# KiCad board KB75.kicad_pcb (continued)
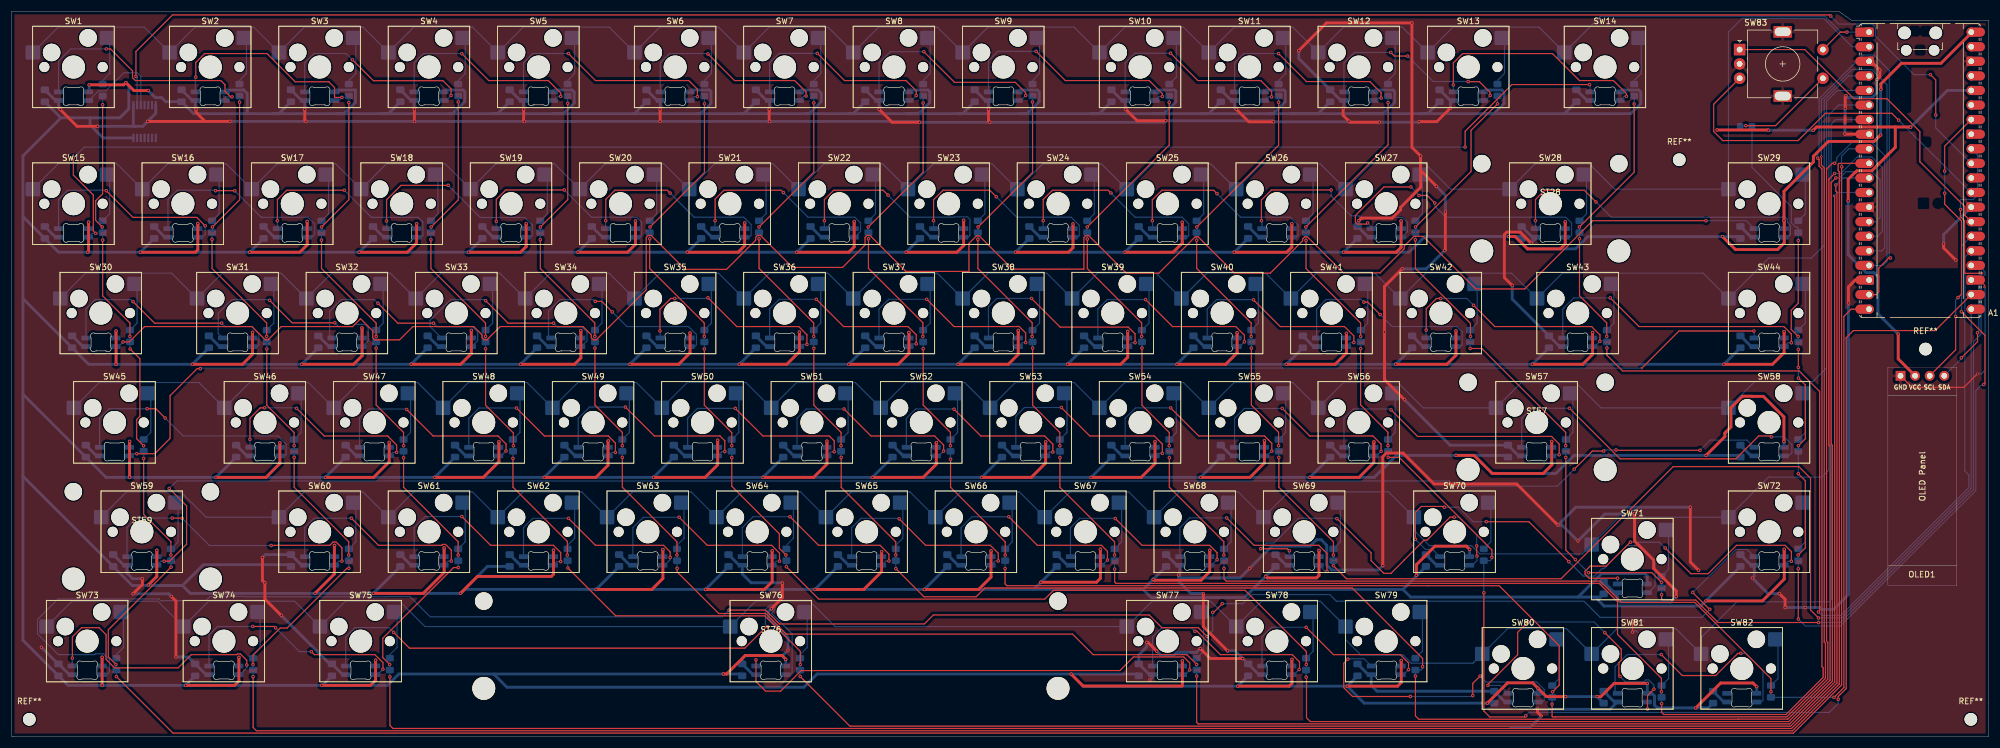
[diagram p0: board, top side]
## Routing (per net, layer and track width the routed paths; a pad name or vN(x,y) marks a point on that pad's centre or on a via; arc(x,y) is an arc through that point) (continued)
  Bottom w0.2: v1(334.17,115.3) 331.29,115.3 324.59,122 324.59,123.52 323.99,124.11 318.2,124.11 v1(316.81,125.5) ; A1.31 335.09,106.03 v1(335.09,108.26) ; U1.2 21.87,114.82 v1(21.68,115.01)
RGB_Level: length 16.4
  Bottom w0.2: U1.3 22.52,115.02 21.91,115.63 19.59,115.63 16.43,112.48 15.17,112.48 13.49,110.8 LED1.3
SCL: length 50.1
  Top w0.2: v1(336.64,98.51) 336.64,102.84 A1.34 ; v1(336.65,94.65) 336.65,92.73 339.58,89.79 339.58,77.07 v1(338.98,76.47) ; OLED1.3 338.56,67.36 v1(338.56,73.17)
  Bottom w0.2: v1(338.98,76.47) 338.56,76.05 v1(338.56,73.17) ; v1(336.64,98.51) 336.65,98.5 v1(336.65,94.65)
SDA: length 48.6
  Top w0.2: v1(339.4,91.81) 339.4,90.54 340.11,89.82 340.11,80.69 v3(343.18,80.69) ; v1(339.56,65.97) 342.37,68.78 v1(342.37,70.33)
  Bottom w0.2: v3(343.18,80.69) 342.59,80.1 342.59,70.55 v1(342.37,70.33) ; OLED1.4 339.56,65.83 v1(339.56,65.97) ; v1(339.4,91.81) 339.4,93.54 341.6,93.54 342.37,94.31 342.37,101.29 A1.32
Net-(D1-A): length 8.1
  Bottom w0.2: SW1.2 17.11,121.24 17.11,115.5 15.88,114.28
Net-(D2-A): length 8.1
  Bottom w0.2: 39.69,114.28 40.92,115.5 40.92,121.24 SW2.2
Net-(D3-A): length 8.1
  Bottom w0.2: 58.74,114.28 59.97,115.5 59.97,121.24 SW3.2
Net-(D4-A): length 8.1
  Bottom w0.2: SW4.2 79.02,121.24 79.02,115.5 77.79,114.28
Net-(D5-A): length 8.1
  Bottom w0.2: SW5.2 98.07,121.24 98.07,115.5 96.84,114.28
Net-(D6-A): length 8.1
  Bottom w0.2: 120.66,114.28 121.88,115.5 121.88,121.24 SW6.2
Net-(D7-A): length 8.1
  Bottom w0.2: 139.71,114.28 140.93,115.5 140.93,121.24 SW7.2
Net-(D8-A): length 8.1
  Bottom w0.2: 158.76,114.28 159.98,115.5 159.98,121.24 SW8.2
Net-(D9-A): length 8.1
  Bottom w0.2: 177.81,114.28 179.03,115.5 179.03,121.24 SW9.2
Net-(D10-A): length 8.8
  Bottom w0.2: D10.2 202.84,114.88 202.84,121.24 SW10.2
Net-(D11-A): length 8.1
  Bottom w0.2: 220.67,114.28 221.89,115.5 221.89,121.24 SW11.2
Net-(D12-A): length 8.1
  Bottom w0.2: SW12.2 240.94,121.24 240.94,115.5 239.72,114.28
Net-(D13-A): length 8.1
  Bottom w0.2: 258.77,114.28 259.99,115.5 259.99,121.24 SW13.2
Net-(D14-A): length 8.1
  Bottom w0.2: 282.58,114.28 283.81,115.5 283.81,121.24 SW14.2
Net-(D15-A): length 8.8
  Bottom w0.2: SW15.2 17.11,97.43 17.11,91.06 D15.2
Net-(D16-A): length 8.8
  Bottom w0.2: SW16.2 36.16,97.43 36.16,91.06 D16.2
Net-(D17-A): length 8.8
  Bottom w0.2: D17.2 55.21,91.06 55.21,97.43 SW17.2
Net-(D18-A): length 8.8
  Bottom w0.2: D18.2 74.26,91.06 74.26,97.43 SW18.2
Net-(D19-A): length 8.8
  Bottom w0.2: SW19.2 93.31,97.43 93.31,91.06 D19.2
Net-(D20-A): length 8.8
  Bottom w0.2: SW20.2 112.36,97.43 112.36,91.06 D20.2
Net-(D21-A): length 8.8
  Bottom w0.2: SW21.2 131.41,97.43 131.41,91.06 D21.2
Net-(D22-A): length 8.8
  Bottom w0.2: D22.2 150.46,91.06 150.46,97.43 SW22.2
Net-(D23-A): length 8.8
  Bottom w0.2: 169.04,97.89 169.51,97.43 169.51,91.06 D23.2
Net-(D24-A): length 8.8
  Bottom w0.2: D24.2 188.56,91.06 188.56,97.43 SW24.2
Net-(D25-A): length 8.8
  Bottom w0.2: 207.14,97.89 207.61,97.43 207.61,91.06 D25.2
Net-(D26-A): length 8.8
  Bottom w0.2: D26.2 226.66,91.06 226.66,97.43 SW26.2
Net-(D27-A): length 8.8
  Bottom w0.2: D27.2 245.71,91.06 245.71,97.43 SW27.2
Net-(D28-A): length 8.8
  Bottom w0.2: D28.2 274.28,91.06 274.28,97.43 SW28.2
Net-(D29-A): length 8.8
  Bottom w0.2: D29.2 312.38,91.06 312.38,97.43 SW29.2
Net-(D30-A): length 8.8
  Bottom w0.2: SW30.2 21.87,78.38 21.87,72.01 D30.2
Net-(D31-A): length 8.8
  Bottom w0.2: SW31.2 45.68,78.38 45.68,72.01 D31.2
Net-(D32-A): length 8.8
  Bottom w0.2: D32.2 64.73,72.01 64.73,78.38 SW32.2
Net-(D33-A): length 8.8
  Bottom w0.2: D33.2 83.78,72.01 83.78,78.38 SW33.2
Net-(D34-A): length 8.8
  Bottom w0.2: D34.2 102.83,72.01 102.83,78.38 SW34.2
Net-(D35-A): length 8.8
  Bottom w0.2: SW35.2 121.88,78.38 121.88,72.01 D35.2
Net-(D36-A): length 8.8
  Bottom w0.2: D36.2 140.93,72.01 140.93,78.38 SW36.2
Net-(D37-A): length 8.8
  Bottom w0.2: SW37.2 159.98,78.38 159.98,72.01 D37.2
Net-(D38-A): length 8.8
  Bottom w0.2: SW38.2 179.03,78.38 179.03,72.01 D38.2
Net-(D39-A): length 8.8
  Bottom w0.2: SW39.2 198.08,78.38 198.08,72.01 D39.2
Net-(D40-A): length 8.8
  Bottom w0.2: SW40.2 217.13,78.38 217.13,72.01 D40.2
Net-(D41-A): length 8.8
  Bottom w0.2: SW41.2 236.18,78.38 236.18,72.01 D41.2
Net-(D42-A): length 8.8
  Bottom w0.2: D42.2 255.23,72.01 255.23,78.38 SW42.2
Net-(D43-A): length 8.8
  Bottom w0.2: D43.2 279.04,72.01 279.04,78.38 SW43.2
Net-(D44-A): length 8.8
  Bottom w0.2: SW44.2 312.38,78.38 312.38,72.01 D44.2
Net-(D45-A): length 8.8
  Bottom w0.2: SW45.2 24.25,59.33 24.25,52.96 D45.2
Net-(D46-A): length 8.8
  Bottom w0.2: D46.2 50.44,52.96 50.44,59.33 SW46.2
Net-(D47-A): length 8.8
  Bottom w0.2: D47.2 69.49,52.96 69.49,59.33 SW47.2
Net-(D48-A): length 8.8
  Bottom w0.2: D48.2 88.54,52.96 88.54,59.33 SW48.2
Net-(D49-A): length 8.8
  Bottom w0.2: D49.2 107.59,52.96 107.59,59.33 SW49.2
Net-(D50-A): length 8.8
  Bottom w0.2: SW50.2 126.64,59.33 126.64,52.96 D50.2
Net-(D51-A): length 8.8
  Bottom w0.2: D51.2 145.69,52.96 145.69,59.33 SW51.2
Net-(D52-A): length 8.8
  Bottom w0.2: SW52.2 164.74,59.33 164.74,52.96 D52.2
Net-(D53-A): length 8.8
  Bottom w0.2: D53.2 183.79,52.96 183.79,59.33 SW53.2
Net-(D54-A): length 8.8
  Bottom w0.2: D54.2 202.84,52.96 202.84,59.33 SW54.2
Net-(D55-A): length 8.8
  Bottom w0.2: D55.2 221.89,52.96 221.89,59.33 SW55.2
Net-(D56-A): length 8.8
  Bottom w0.2: D56.2 240.94,52.96 240.94,59.33 SW56.2
Net-(D57-A): length 8.8
  Bottom w0.2: SW57.2 271.9,59.33 271.9,52.96 D57.2
Net-(D58-A): length 8.8
  Bottom w0.2: SW58.2 312.38,59.33 312.38,52.96 D58.2
Net-(D59-A): length 8.8
  Bottom w0.2: D59.2 29.01,33.91 29.01,40.28 SW59.2
Net-(D60-A): length 8.8
  Bottom w0.2: SW60.2 59.97,40.28 59.97,33.91 D60.2
Net-(D61-A): length 8.8
  Bottom w0.2: D61.2 79.02,33.91 79.02,40.28 SW61.2
Net-(D62-A): length 8.1
  Bottom w0.2: 96.84,33.31 98.07,34.54 98.07,40.28 SW62.2
Net-(D63-A): length 8.1
  Bottom w0.2: SW63.2 117.12,40.28 117.12,34.54 115.89,33.31
Net-(D64-A): length 8.1
  Bottom w0.2: SW64.2 136.17,40.28 136.17,34.54 134.94,33.31
Net-(D65-A): length 8.1
  Bottom w0.2: SW65.2 155.22,40.28 155.22,34.54 153.99,33.31
Net-(D66-A): length 8.8
  Bottom w0.2: D66.2 174.27,33.91 174.27,40.28 SW66.2
Net-(D67-A): length 8.8
  Bottom w0.2: SW67.2 193.32,40.28 193.32,33.91 D67.2
Net-(D68-A): length 8.8
  Bottom w0.2: SW68.2 212.37,40.28 212.37,33.91 D68.2
Net-(D69-A): length 8.8
  Bottom w0.2: SW69.2 231.42,40.28 231.42,33.91 D69.2
Net-(D70-A): length 8.8
  Bottom w0.2: SW70.2 257.61,40.28 257.61,33.91 D70.2
Net-(D71-A): length 8.8
  Bottom w0.2: D71.2 288.57,29.15 288.57,35.52 SW71.2
Net-(D72-A): length 8.8
  Bottom w0.2: SW72.2 312.38,40.28 312.38,33.91 D72.2
Net-(D73-A): length 8.1
  Bottom w0.2: 18.26,14.26 19.49,15.49 19.49,21.23 SW73.2
Net-(D74-A): length 8.1
  Bottom w0.2: 42.07,14.26 43.3,15.49 43.3,21.23 SW74.2
Net-(D75-A): length 8.2
  Bottom w0.2: 65.89,14.26 67.14,15.52 67.14,21.2 SW75.2
Net-(D76-A): length 8.1
  Bottom w0.2: SW76.2 138.55,21.23 138.55,15.49 137.32,14.26
Net-(D77-A): length 8.8
  Bottom w0.2: D77.2 207.61,14.86 207.61,21.23 207.14,21.69
Net-(D78-A): length 8.8
  Bottom w0.2: SW78.2 226.66,21.23 226.66,14.86 D78.2
Net-(D79-A): length 8.8
  Bottom w0.2: SW79.2 245.71,21.23 245.71,14.86 D79.2
Net-(D80-A): length 8.8
  Bottom w0.2: SW80.2 269.52,16.47 269.52,10.1 D80.2
Net-(D81-A): length 8.8
  Bottom w0.2: SW81.2 288.57,16.47 288.57,10.1 D81.2
Net-(D82-A): length 8.8
  Bottom w0.2: D82.2 307.62,10.1 307.62,16.47 SW82.2
Net-(LED1-DOUT): length 43.1
  Top w0.2: v1(38.41,111.43) 38.16,111.43 37.18,112.41 37.18,113.55 36.46,114.27 21.57,114.27 21.07,114.76 21.07,115.95 17.25,119.78 v1(16.51,119.78)
  Bottom w0.2: LED1.1 8.2,117.66 10.32,119.78 v1(16.51,119.78) ; LED2.3 37.21,111.35 37.29,111.43 v1(38.41,111.43)
Net-(LED2-DOUT): length 36.9
  Top w0.2: v1(57.54,111.33) 56.33,111.33 56.26,111.41 56.26,113.06 55.26,114.06 49.41,114.06 44.5,118.98 33.64,118.98 32.09,117.42 v1(32.09,114.87)
  Bottom w0.2: LED2.1 32.01,114.8 v1(32.09,114.87) ; LED3.3 57.01,110.8 v1(57.54,111.33)
Net-(LED3-DOUT): length 36.5
  Top w0.2: v1(59.37,117.91) 63.02,114.25 75.13,114.25 76.55,112.83 v1(76.55,111.68)
  Bottom w0.2: LED4.3 75.66,110.8 v1(76.55,111.68) ; v1(59.37,117.91) 58.3,118.98 52.69,118.98 51.06,117.35 LED3.1
Net-(LED4-DOUT): length 36.3
  Top w0.2: v1(95.64,111.51) 95.64,112.11 93.47,114.27 83.11,114.27 v1(78.42,118.96)
  Bottom w0.2: v1(78.42,118.96) 78.41,118.98 71.74,118.98 70.11,117.35 LED4.1 ; v1(95.64,111.51) 95.08,111.51 LED5.3
Net-(LED5-DOUT): length 41.5
  Top w0.2: v1(96.99,118.98) 101.69,114.27 117.93,114.27 119.46,112.75 v1(119.46,111.46)
  Bottom w0.2: LED5.1 89.16,117.13 89.17,117.13 89.17,117.35 90.8,118.98 v1(96.99,118.98) ; LED6.3 118.84,111.46 v1(119.46,111.46)
Net-(LED6-DOUT): length 36.1
  Top w0.2: v1(138.38,111.58) 138.38,112.27 136.37,114.27 125.91,114.27 v1(121.28,118.9)
  Bottom w0.2: v1(121.28,118.9) 121.21,118.98 114.6,118.98 112.98,117.35 LED6.1 ; v1(138.38,111.58) 138.01,111.58 LED7.3
Net-(LED7-DOUT): length 36.4
  Top w0.2: v1(157.56,111.67) 157.56,112.48 155.76,114.27 145.06,114.27 v1(140.33,119)
  Bottom w0.2: LED8.3 156.68,110.8 v1(157.56,111.67) ; LED7.1 132.03,117.35 133.68,119 v1(140.33,119)
Net-(LED8-DOUT): length 36.5
  Top w0.2: v1(158.88,119.3) 164.23,113.95 174.81,113.95 176.61,112.15 v1(176.61,111.68)
  Bottom w0.2: v1(176.61,111.68) 175.72,110.8 LED9.3 ; LED8.1 151.08,117.35 153.03,119.3 v1(158.88,119.3)
Net-(LED10-DIN): length 41.5
  Top w0.2: v1(178.43,119.35) 183.51,114.27 198.12,114.27 200.42,111.98 v1(200.42,111.49)
  Bottom w0.2: v1(178.43,119.35) 171.76,119.35 170.13,117.72 LED9.1 ; LED10.3 199.84,111.49 v1(200.42,111.49)
Net-(LED10-DOUT): length 36.5
  Top w0.2: v1(201.84,119.03) 206.59,114.27 217.53,114.27 219.44,112.37 v1(219.44,111.43)
  Bottom w0.2: v1(201.84,119.03) 195.62,119.03 193.94,117.35 LED10.1 ; LED11.3 218.83,111.43 v1(219.44,111.43)
Net-(LED11-DOUT): length 36.5
  Top w0.2: v1(238.52,111.23) 238.52,112.13 236.56,114.09 225.52,114.09 v1(220.64,118.97)
  Bottom w0.2: LED12.3 237.67,111.23 v1(238.52,111.23) ; LED11.1 212.99,117.35 214.61,118.98 220.63,118.98 v1(220.64,118.97)
Net-(LED12-DOUT): length 36.3
  Top w0.2: v1(240.19,119.17) 240.82,118.54 v1(243.13,118.54) ; v1(257.5,111.66) 257.5,112.2 255.62,114.08 v1(253.68,114.08)
  Bottom w0.2: v1(253.68,114.08) 253.68,114.11 247.56,114.11 v1(243.13,118.54) ; v1(257.5,111.66) 256.64,110.8 LED13.3 ; v1(240.19,119.17) 233.86,119.17 232.04,117.35 LED12.1
Net-(LED13-DOUT): length 40.7
  Top w0.2: v1(281.23,111.52) 281.23,112.01 278.96,114.27 273.04,114.27 268.34,118.98 252.71,118.98 251.09,117.35 v1(251.09,113.51)
  Bottom w0.2: v1(281.23,111.52) 280.83,111.52 LED14.3 ; v1(251.09,113.51) 251.09,113.51 LED13.1
Net-(LED14-DOUT): length 288.6
  Top w0.2: v1(253.15,102.68) 253.15,105.43 261.29,113.57 v1(274.8,113.57) ; v1(10.78,100.8) 10.78,97.8 14.25,94.32 14.25,88.07 v1(14.68,87.65)
  Bottom w0.2: LED15.3 14.06,87.65 v1(14.68,87.65) ; v1(10.78,100.8) 12.66,102.68 v1(253.15,102.68) ; v1(274.8,113.57) 274.9,113.47 LED14.1
Net-(LED15-DOUT): length 36.8
  Top w0.2: v1(33.73,88.97) 32.26,90.43 21.16,90.43 v1(16.51,95.08)
  Bottom w0.2: v1(16.51,95.08) 16.43,95.16 9.83,95.16 8.2,93.54 LED15.1 ; LED16.3 33.25,86.98 33.73,87.46 v1(33.73,88.97)
Net-(LED16-DOUT): length 37
  Top w0.2: v1(35.54,95.09) 38.86,95.09 v1(38.89,95.06)
  Bottom w0.2: 27.25,88.48 27.25,93.54 28.88,95.16 35.46,95.16 v1(35.54,95.09) ; LED17.3 52.3,86.98 52.8,87.48 52.8,89.28 51.63,90.45 43.5,90.45 v1(38.89,95.06)
Net-(LED17-DOUT): length 36.9
  Top w0.2: v1(46.31,89.85) 46.31,93.54 47.93,95.16 v1(57.96,95.16)
  Bottom w0.2: LED17.1 46.3,89.85 v1(46.31,89.85) ; LED18.3 71.35,86.98 71.65,87.28 71.65,89.61 70.82,90.44 62.68,90.44 v1(57.96,95.16)
Net-(LED18-DOUT): length 37.4
  Top w0.2: v1(65.32,89.81) 65.32,93.5 67.83,96.01 v1(76.05,96.01)
  Bottom w0.2: v1(76.05,96.01) 81.65,90.41 89.4,90.41 90.7,89.11 90.7,87.28 90.4,86.98 89.6,86.98 ; LED18.1 65.35,89.78 v1(65.32,89.81)
Net-(LED19-DOUT): length 37
  Top w0.2: v1(96.27,95.21) 86.08,95.21 84.43,93.56 v1(84.43,89.75)
  Bottom w0.2: v1(96.27,95.21) 101.02,90.46 108.87,90.46 109.75,89.58 109.75,87.28 109.45,86.98 LED20.3 ; v1(84.43,89.75) 84.4,89.73 LED19.1
Net-(LED20-DOUT): length 36.7
  Top w0.2: v1(114.7,94.66) 114.19,95.16 105.08,95.16 103.49,93.57 v1(103.49,89.86)
  Bottom w0.2: 127.7,86.98 128.5,86.98 128.8,87.28 128.8,89.19 127.53,90.46 118.9,90.46 v1(114.7,94.66) ; v1(103.49,89.86) 103.45,89.83 LED20.1
Net-(LED21-DOUT): length 36.5
  Top w0.2: v1(134.43,94.75) 134.01,95.16 124.06,95.16 122.54,93.64 v1(122.54,89.86)
  Bottom w0.2: LED22.3 146.84,86.98 147.85,87.99 147.85,89.48 146.87,90.46 138.72,90.46 v1(134.43,94.75) ; v1(122.54,89.86) 122.5,89.83 LED21.1
Net-(LED22-DOUT): length 37.3
  Top w0.2: v1(152.66,94.3) 151.79,95.16 143.18,95.16 141.57,93.55 v1(141.57,89.86)
  Bottom w0.2: v1(152.66,94.3) 156.5,90.46 164.17,90.46 164.25,90.53 166.47,90.53 166.9,90.11 166.9,87.28 166.6,86.98 LED23.3 ; v1(141.57,89.86) 141.55,89.85 LED22.1
Net-(LED23-DOUT): length 36.6
  Top w0.2: v1(171.51,94.02) 170.36,95.16 162.23,95.16 160.57,93.5 v1(160.57,89.86)
  Bottom w0.2: LED23.1 160.6,89.83 v1(160.57,89.86) ; v1(171.51,94.02) 175.07,90.46 184.54,90.46 185.95,89.05 185.95,87.28 185.65,86.98 LED24.3
Net-(LED24-DOUT): length 36.8
  Top w0.2: v1(191.46,94.68) 190.97,95.16 181.28,95.16 179.67,93.55 v1(179.67,89.86)
  Bottom w0.2: v1(179.67,89.86) 179.65,89.85 LED24.1 ; v1(191.46,94.68) 195.68,90.46 203.87,90.46 205,89.33 205,87.28 204.7,86.98 LED25.3
Net-(LED25-DOUT): length 36.7
  Top w0.2: v1(198.67,89.86) 198.67,93.5 200.33,95.16 209.34,95.16 v1(209.93,94.58)
  Bottom w0.2: LED25.1 198.7,89.83 v1(198.67,89.86) ; 222.95,86.98 223.75,86.98 224.05,87.28 224.05,89.1 222.69,90.46 214.05,90.46 v1(209.93,94.58)
Net-(LED26-DOUT): length 37.2
  Top w0.2: v1(229.81,95.21) 219.43,95.21 217.67,93.45 v1(217.67,89.86)
  Bottom w0.2: 217.75,88.48 217.75,89.78 v1(217.67,89.86) ; v1(229.81,95.21) 229.81,94.17 233.28,90.7 234.64,90.7 234.91,90.42 242.23,90.42 243.1,89.56 243.1,87.98 242.11,86.98 LED27.3
Net-(LED27-DOUT): length 50.8
  Top w0.2: v1(245.11,94.25) 246.54,94.25 v1(247.84,92.95) ; v1(236.15,89.47) 235.93,89.26 234.38,89.26 234.02,89.61 234.02,90.76 239,95.73 v1(243.7,95.73)
  Bottom w0.2: 236.8,88.48 236.8,88.82 v1(236.15,89.47) ; v1(243.7,95.73) 245.11,94.32 v1(245.11,94.25) ; v1(247.84,92.95) 247.84,92.4 249.78,90.46 270.65,90.46 271.68,89.43 271.68,87.28 271.38,86.98 LED28.3
Net-(LED28-DOUT): length 55.9
  Top w0.2: v1(275.93,93.12) 273.88,95.16 267,95.16 265.39,93.55 v1(265.39,89.86)
  Bottom w0.2: v1(265.39,89.86) 265.38,89.85 LED28.1 ; v1(275.93,93.12) 278.59,90.46 308.41,90.46 308.42,90.46 308.91,90.46 309.27,90.11 309.27,89.54 309.78,89.03 309.78,87.44 309.32,86.98 LED29.3
Net-(LED29-DOUT): length 361
  Top w0.2: v1(295.08,89.86) 275.35,89.86 271.13,85.63 271.13,85.58 263.51,77.97 254.99,77.97 245.83,87.13 244.23,87.13 242.54,85.44 242.54,84.97 238.33,80.77 231.95,80.77 225.68,87.03 225.19,87.03 224.83,86.68 224.83,86.35 219.2,80.72 212.97,80.72 206.63,87.05 206.14,87.05 199.8,80.72 194.14,80.72 187.59,87.26 187.1,87.26 186.74,86.91 186.74,81.41 174.32,81.41 168.53,87.2 168.04,87.2 166.74,85.9 166.74,81.02 155.76,81.02 149.48,87.3 148.99,87.3 148.63,86.95 148.63,85.63 144.72,81.71 136.02,81.71 130.43,87.3 129.94,87.3 129.58,86.95 129.58,86.45 124.51,81.38 117.31,81.38 111.38,87.3 110.89,87.3 110.53,86.95 110.53,77.82 101.82,69.11 101.33,69.11 100.97,69.46 100.97,69.96 99.52,71.41 85.1,71.41 82.8,69.11 82.3,69.11 81.95,69.46 81.95,69.96 80.5,71.41 69.89,71.41 67.59,69.11 63.25,69.11 62.9,69.46 62.9,70.66 60.78,72.79 59.4,71.41 46.98,71.41 44.68,69.11 44.18,69.11 41.88,71.41 23.17,71.41 20.5,68.74 v1(19.44,68.74)
  Bottom w0.2: LED29.1 302.1,89.86 v1(295.08,89.86) ; v1(19.44,68.74) 18.64,67.93 LED30.3
Net-(LED30-DOUT): length 41.5
  Top w0.2: v1(36.6,72.01) 24.92,72.01 v1(21.17,75.76)
  Bottom w0.2: LED30.1 12.96,74.49 14.59,76.11 20.81,76.11 v1(21.17,75.76) ; v1(36.6,72.01) 37.2,71.4 41.85,71.4 43.08,70.17 43.08,68.23 42.78,67.93 LED31.3
Net-(LED31-DOUT): length 37.9
  Top w0.2: v1(56.3,72.07) 48.87,72.07 v1(44.95,75.99)
  Bottom w0.2: LED31.1 35.99,70.21 35.99,73.71 38.4,76.11 44.82,76.11 v1(44.95,75.99) ; LED32.3 61.12,67.93 62.13,68.94 62.13,71.25 61.59,71.78 59.77,71.78 59.4,71.41 56.96,71.41 v1(56.3,72.07)
Net-(LED32-DOUT): length 36.8
  Top w0.2: v1(73.5,72.01) 67.28,72.01 v1(63.82,75.47)
  Bottom w0.2: LED33.3 80.17,67.93 81.18,68.94 81.18,70.49 80.29,71.38 74.12,71.38 v1(73.5,72.01) ; LED32.1 55.42,69.84 55.42,74.08 57.45,76.11 63.17,76.11 v1(63.82,75.47)
Net-(LED33-DOUT): length 38.1
  Top w0.2: v1(94.4,72.01) 86.48,72.01 v1(82.57,75.92)
  Bottom w0.2: LED33.1 72.89,71.41 72.89,72.51 76.5,76.11 82.37,76.11 v1(82.57,75.92) ; LED34.3 99.22,67.93 100.23,68.94 100.23,70.47 99.38,71.31 95.09,71.31 v1(94.4,72.01)
Net-(LED34-DOUT): length 37
  Top w0.2: v1(104.62,73.97) 102.79,75.8 v1(101.67,75.8)
  Bottom w0.2: LED35.3 118.98,67.93 119.28,68.23 119.28,70.04 117.91,71.41 107.18,71.41 v1(104.62,73.97) ; LED34.1 93.52,69.84 93.52,74.08 95.55,76.11 101.35,76.11 v1(101.67,75.8)
Net-(LED35-DOUT): length 37.2
  Top w0.2: v1(138.51,68.3) 138.51,69.99 137.1,71.41 126.3,71.41 v1(121.28,76.43) ; v1(115.5,76.31) 114.8,76.31 112.93,74.44 v1(112.93,70.65)
  Bottom w0.2: v1(121.28,76.43) 121.16,76.31 v1(115.5,76.31) ; v1(138.51,68.3) 137.59,68.3 LED36.3 ; LED35.1 112.98,70.6 v1(112.93,70.65)
Net-(LED36-DOUT): length 36.9
  Top w0.2: v1(140.16,76.16) 144.91,71.41 156.12,71.41 157.56,69.97 v1(157.56,68.4)
  Bottom w0.2: v1(157.56,68.4) 156.75,68.4 LED37.3 ; LED36.1 132.03,74.49 133.7,76.16 v1(140.16,76.16)
Net-(LED37-DOUT): length 37
  Top w0.2: v1(159.38,76.16) 164.13,71.41 175.03,71.41 175.06,71.43 175.48,71.43 176.61,70.3 v1(176.61,68.63)
  Bottom w0.2: LED38.3 176.03,68.63 v1(176.61,68.63) ; LED37.1 151.08,74.49 152.75,76.16 v1(159.38,76.16)
Net-(LED38-DOUT): length 37.2
  Top w0.2: v1(195.66,68.61) 195.66,70.14 194.48,71.32 182.62,71.32 v1(177.63,76.31)
  Bottom w0.2: v1(177.63,76.31) 171.58,76.31 170.13,74.86 LED38.1 ; v1(195.66,68.61) 195.06,68.61 LED39.3
Net-(LED39-DOUT): length 36.6
  Top w0.2: v1(214.71,68.77) 214.71,69.91 213.21,71.41 202.19,71.41 v1(197.48,76.12)
  Bottom w0.2: LED39.1 189.18,74.49 190.81,76.12 v1(197.48,76.12) ; v1(214.71,68.77) 213.87,67.93 LED40.3
Net-(LED40-DOUT): length 36.6
  Top w0.2: v1(233.76,68.63) 233.76,69.79 232.14,71.41 220.95,71.41 v1(216.29,76.07)
  Bottom w0.2: LED41.3 233.17,68.63 v1(233.76,68.63) ; v1(216.29,76.07) 216.24,76.11 209.85,76.11 208.23,74.49 LED40.1
Net-(LED41-DOUT): length 36.9
  Top w0.2: v1(235.51,75.67) 236.18,75.67 v1(238.35,73.5)
  Bottom w0.2: LED42.3 252.33,67.93 252.63,68.23 252.63,70.5 251.72,71.41 240.44,71.41 v1(238.35,73.5) ; v1(235.51,75.67) 235.05,76.13 228.92,76.13 227.28,74.49 LED41.1
Net-(LED42-DOUT): length 41.5
  Top w0.2: v1(276.62,68.85) 276.62,69.96 275.17,71.41 258.32,71.41 v1(254.61,75.12) ; v1(246.37,70.81) 246.37,74.53 248.15,76.31 v1(248.87,76.31)
  Bottom w0.2: v1(254.61,75.12) 253.42,76.31 v1(248.87,76.31) ; v1(276.62,68.85) 275.7,67.93 LED43.3 ; LED42.1 246.33,70.77 v1(246.37,70.81)
Net-(LED43-DOUT): length 51.4
  Top w0.2: v1(278.42,76.41) 283.42,71.41 308.66,71.41 309.96,70.11 v1(309.96,68.59)
  Bottom w0.2: LED43.1 270.14,74.46 270.35,74.66 270.35,74.69 272.06,76.41 v1(278.42,76.41) ; LED44.3 309.34,68.59 v1(309.96,68.59)
Net-(LED44-DOUT): length 297.5
  Top w0.2: v1(32.88,64.09) 32.34,64.09 27.62,59.37 27.62,51.94 24.94,49.27 v1(21.83,49.27) ; v3(283.92,64.18) 290.38,70.64 v1(303.43,70.64)
  Bottom w0.2: v3(283.92,64.18) 32.97,64.18 v1(32.88,64.09) ; v1(303.43,70.64) 303.48,70.59 LED44.1 ; v1(21.83,49.27) 20.93,49.27 LED45.3
Net-(LED45-DOUT): length 43.8
  Top w0.2: v1(23.63,57.1) 25.15,57.1 v1(26.78,55.47)
  Bottom w0.2: v1(23.63,57.1) 17.01,57.1 15.34,55.44 LED45.1 ; LED46.3 47.54,48.88 47.84,49.18 47.84,50.91 46.39,52.36 29.89,52.36 v1(26.78,55.47)
Net-(LED46-DOUT): length 36.9
  Top w0.2: v1(67.07,49.5) 67.07,50.79 65.5,52.36 54.45,52.36 v1(49.64,57.17) ; v1(44.07,57.26) 43.33,57.26 41.53,55.45 v1(41.53,51.76)
  Bottom w0.2: LED46.1 41.54,51.75 v1(41.53,51.76) ; v1(44.07,57.26) 49.55,57.26 v1(49.64,57.17) ; v1(67.07,49.5) 66.4,49.5 LED47.3
Net-(LED47-DOUT): length 36.6
  Top w0.2: v1(68.81,56.97) 73.42,52.36 84.72,52.36 86.12,50.96 v1(86.12,49.74)
  Bottom w0.2: v1(86.12,49.74) 85.26,48.88 LED48.3 ; LED47.1 60.59,55.44 62.21,57.06 68.71,57.06 v1(68.81,56.97)
Net-(LED48-DOUT): length 37
  Top w0.2: v1(87.94,57.22) 92.81,52.36 103.93,52.36 105.17,51.12 v1(105.17,49.48)
  Bottom w0.2: LED48.1 79.64,55.44 81.42,57.22 v1(87.94,57.22) ; v1(105.17,49.48) 104.49,49.48 LED49.3
Net-(LED49-DOUT): length 37.3
  Top w0.2: v1(106.92,57.39) 111.95,52.36 123.37,52.36 124.22,51.52 v1(124.22,49.63)
  Bottom w0.2: LED50.3 123.69,49.63 v1(124.22,49.63) ; LED49.1 98.69,55.44 100.64,57.39 v1(106.92,57.39)
Net-(LED50-DOUT): length 37.1
  Top w0.2: v1(126.04,57.16) 130.85,52.36 142.4,52.36 143.27,51.5 v1(143.27,49.61)
  Bottom w0.2: LED51.3 142.71,49.61 v1(143.27,49.61) ; v1(126.04,57.16) 119.46,57.16 117.74,55.44 LED50.1
Net-(LED51-DOUT): length 36.6
  Top w0.2: v1(144.98,57.05) 149.67,52.36 160.74,52.36 162.32,50.78 v1(162.32,49.71)
  Bottom w0.2: v1(162.32,49.71) 161.49,48.88 LED52.3 ; v1(144.98,57.05) 144.96,57.06 138.41,57.06 136.79,55.44 LED51.1
Net-(LED52-DOUT): length 36.7
  Top w0.2: v1(181.35,49.55) 181.35,50.92 179.91,52.36 168.8,52.36 v1(164.14,57.01)
  Bottom w0.2: LED52.1 155.84,55.44 157.46,57.06 164.09,57.06 v1(164.14,57.01) ; LED53.3 180.76,49.55 v1(181.35,49.55)
Net-(LED53-DOUT): length 37.3
  Top w0.2: v1(200.41,49.32) 200.41,50.95 199,52.36 187.78,52.36 v1(182.83,57.31)
  Bottom w0.2: v1(200.41,49.32) 199.58,49.32 LED54.3 ; v1(182.83,57.31) 176.39,57.31 174.89,55.81 LED53.1
Net-(LED54-DOUT): length 36.9
  Top w0.2: v1(201.86,57.25) 206.75,52.36 218.2,52.36 219.47,51.09 v1(219.47,49.71)
  Bottom w0.2: LED54.1 193.94,55.44 195.75,57.25 v1(201.86,57.25) ; LED55.3 218.65,48.88 v1(219.47,49.71)
Net-(LED55-DOUT): length 36.7
  Top w0.2: v1(221.29,57.15) 226.09,52.36 237.08,52.36 238.52,50.92 v1(238.52,49.68)
  Bottom w0.2: LED55.1 212.99,55.44 214.7,57.15 v1(221.29,57.15) ; LED56.3 237.72,48.88 v1(238.52,49.68)
Net-(LED56-DOUT): length 49
  Top w0.2: v1(240.24,56.9) 244.87,52.27 268.2,52.27 269.52,50.95 v1(269.52,49.09)
  Bottom w0.2: v1(269.52,49.09) 268.4,49.09 LED57.3 ; v1(240.24,56.9) 240.07,57.06 233.66,57.06 232.04,55.44 LED56.1
Net-(LED57-DOUT): length 61.7
  Top w0.2: v1(306.48,52.19) 306.31,52.36 304.26,52.36 300.28,48.38 280.11,48.38 v1(271.3,57.19)
  Bottom w0.2: v1(271.3,57.19) 264.75,57.19 262.99,55.44 LED57.1 ; LED58.3 309.48,48.88 310.04,49.44 310.04,50.84 308.68,52.19 v1(306.48,52.19)
Net-(LED58-DOUT): length 298.5
  Top w0.2: v1(277.27,49.73) 275.31,49.73 v1(272.14,46.56) ; v1(279.42,49.92) 279.48,49.86 v1(294.03,49.86) ; v1(26.59,30.54) 27.54,30.54 30.5,33.5 30.5,40.19 v1(27.47,43.22)
  Bottom w0.2: LED58.1 302.22,51.64 295.8,51.64 v1(294.03,49.86) ; v1(27.47,43.22) 28.77,44.52 250.38,44.52 251.29,43.61 269.19,43.61 v1(272.14,46.56) ; v1(277.27,49.73) 277.46,49.92 v1(279.42,49.92) ; v1(26.59,30.54) 26.02,30.54 LED59.3
Net-(LED59-DOUT): length 49.7
  Top w0.2: v1(45.21,33.27) 45.77,33.27 45.8,33.31 55.43,33.31 56.02,33.89 56.51,33.89 57.54,32.86 v1(57.54,30.54) ; v1(29.72,38.02) 29.69,38.05 v1(28,38.05)
  Bottom w0.2: v1(29.72,38.02) 34.47,33.27 v1(45.21,33.27) ; LED59.1 20.11,36.39 21.77,38.05 v1(28,38.05) ; LED60.3 56.97,30.54 v1(57.54,30.54)
Net-(LED60-DOUT): length 37.2
  Top w0.2: v1(59.19,38.03) 63.91,33.31 74.94,33.31 75.1,33.46 75.59,33.46 76.59,32.46 v1(76.59,30.56)
  Bottom w0.2: LED61.3 76.04,30.56 v1(76.59,30.56) ; v1(59.19,38.03) 52.71,38.03 51.06,36.39 LED60.1
Net-(LED61-DOUT): length 37.1
  Top w0.2: v1(78.42,38.32) 83.43,33.31 94.38,33.31 95.64,32.04 v1(95.64,30.47)
  Bottom w0.2: v1(78.42,38.32) 72.05,38.32 70.11,36.39 LED61.1 ; LED62.3 95.01,30.47 v1(95.64,30.47)
Net-(LED62-DOUT): length 36.7
  Top w0.2: v1(114.71,31.18) 114.71,32.14 113.55,33.31 101.69,33.31 v1(97,38)
  Bottom w0.2: LED62.1 89.16,36.39 90.79,38.01 96.98,38.01 v1(97,38) ; LED63.3 113.72,29.83 114.71,30.83 v1(114.71,31.18)
Net-(LED63-DOUT): length 36.9
  Top w0.2: v1(116.28,38.19) 121.16,33.31 132.37,33.31 133.74,31.93 v1(133.74,30.55)
  Bottom w0.2: v1(133.74,30.55) 133.18,30.55 LED64.3 ; v1(116.28,38.19) 110.02,38.19 108.21,36.39 LED63.1
Net-(LED64-DOUT): length 36.9
  Top w0.2: v1(135.57,38.29) 140.55,33.31 151.26,33.31 152.79,31.77 v1(152.79,30.58)
  Bottom w0.2: LED65.3 152.26,30.58 v1(152.79,30.58) ; v1(135.57,38.29) 129.17,38.29 127.26,36.39 LED64.1
Net-(LED65-DOUT): length 36.7
  Top w0.2: v1(154.58,37.92) 159.19,33.31 170.46,33.31 171.84,31.92 v1(171.84,30.58)
  Bottom w0.2: v1(171.84,30.58) 171.31,30.58 LED66.3 ; v1(154.58,37.92) 154.48,38.01 147.94,38.01 146.31,36.39 LED65.1
Net-(LED66-DOUT): length 37
  Top w0.2: v1(190.86,30.73) 190.86,32.25 189.8,33.31 178.64,33.31 v1(173.67,38.28)
  Bottom w0.2: LED66.1 165.36,36.39 167.26,38.28 v1(173.67,38.28) ; LED67.3 189.96,29.83 v1(190.86,30.73)
